# Allegro board C000PD020-3399PRO-DMEB-A-A01.brd (continued)
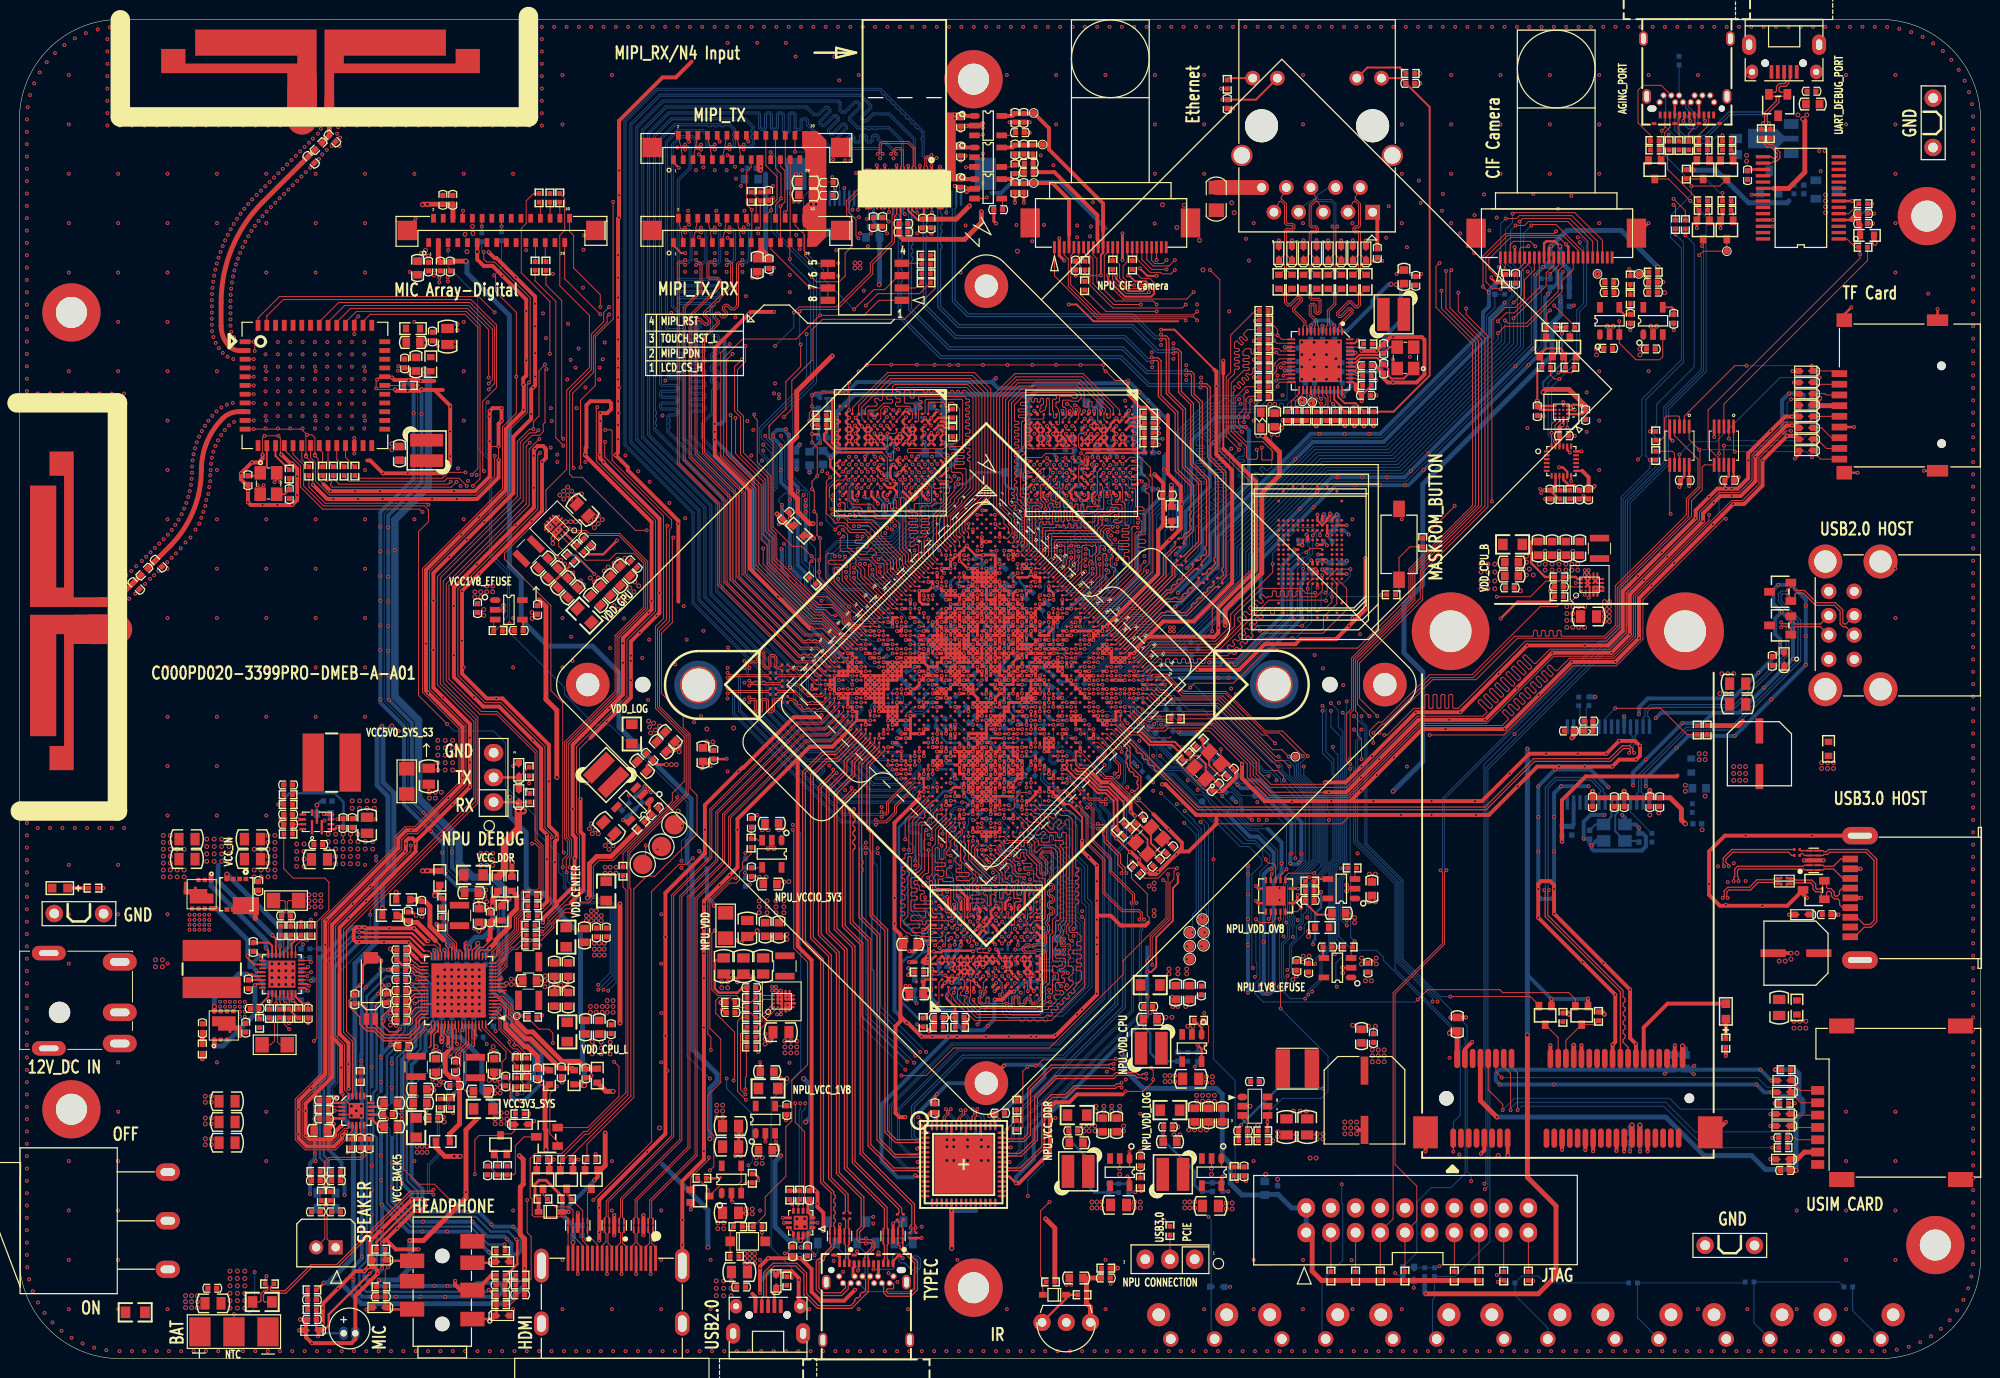
[diagram p0: board, top side]
## Nets (continued)
CIF_CLKOUTA: R1900.1 R1901.1 U1000.E34(SPI2_CLK/VOP_DEN/CIF_CLKOUTA/GP)
CIF_D0: J4700.19(Y2) U1000.D33(I2C2_SDA/VOP_D0/CIF_D0/GPIO2_A0)
CIF_D1: J4700.21(Y3) U1000.J27(I2C2_SCL/VOP_D1/CIF_D1/GPIO2_A1)
CIF_D2: J4700.22(Y4) U1000.F33(VOP_D2/CIF_D2/GPIO2_A2_D)
CIF_D3: J4700.20(Y5) U1000.E33(VOP_D3/CIF_D3/GPIO2_A3_D)
CIF_D4: J4700.18(Y6) U1000.G33(VOP_D4/CIF_D4/GPIO2_A4_D)
CIF_D5: J4700.16(Y7) U1000.G29(VOP_D5/CIF_D5/GPIO2_A5_D)
CIF_D6: J4700.14(Y8) U1000.H29(VOP_D6/CIF_D6/GPIO2_A6_D)
CIF_D7: J4700.12(Y9) U1000.G32(I2C7_SDA/VOP_D7/CIF_D7/GPIO2_A7)
CIF_HREF: J4700.9(HREF) U1000.G30(I2C6_SDA/SPI2_RXD/CIF_HREF/GPIO)
CIF_RST: C4702.1 J4700.6(RESET) R4702.2
CIF_VSYNC: J4700.7(VSYNC) U1000.H30(I2C7_SCL/VOP_CLK/CIF_VSYNC/GPIO)
CIFCAM_PWREN_H: U1000.AM1(SPDIF_TX/GPIO4_C5_D) U4700.3(EN) U4701.3(EN)
CLKOUT_32K: R1100.2 R1122.2 R2123.1 R6113.1
COMP_INT_H: U1000.AJ1(I2S0_SDO0/GPIO3_D7_D) U9001.A1(DRDY)
CPN: C2132.1 U?.36(CPN)
CPP: C2132.2 U?.37(CPP)
CPU_B_SLEEP_H: U1000.A39(SPI3_CLK/GPIO1_C1_D) U2200.A1(VSEL)
CPU_INT_NPU: R1125.2 U1000.C39(ISP0_PRELIGHT_TRIG/ISP1_PRELIGH)
CPU_RST_NPU: R1105.2 U1000.E40(ISP0_SHUTTER_EN/ISP1_SHUTTER_EN)
DDC_SCL: J8200.15 Q8200.3(DRAIN) R8202.2 U8200.2(IO2) U8200.9(NC_9)
DDC_SDA: J8200.16 Q8201.3(DRAIN) R8204.2 U8200.4(IO3) U8200.7(NC_7)
DDR0_A0: U1000.F2(DDR0_A0) U3601.R2(DDR_A0)
DDR0_A1: U1000.F1(DDR0_A1) U3601.P2(DDR_A1)
DDR0_A2: U1000.G1(DDR0_A2) U3601.N2(DDR_A2)
DDR0_A3: U1000.G2(DDR0_A3) U3601.N3(DDR_A3)
DDR0_A4: U1000.H2(DDR0_A4) U3601.M3(DDR_A4)
DDR0_A5: U1000.H1(DDR0_A5) U3601.F3(DDR_A5)
DDR0_A6: U1000.J1(DDR0_A6) U3601.E3(DDR_A6)
DDR0_A7: U1000.J2(DDR0_A7) U3601.E2(DDR_A7)
DDR0_A8: U1000.K2(DDR0_A8) U3601.D2(DDR_A8)
DDR0_A9: U1000.K1(DDR0_A9) U3601.C2(DDR_A9)
DDR0_CKE0: U1000.E1(DDR0_CKE0) U3601.K3(DDR_CKE0)
DDR0_CKE1: U1000.F5(DDR0_CKE1) U3601.K4(DDR_CKE1)
DDR0_CLK: U1000.H4(DDR0_CLK0P) U3601.J3(DDR_CLK)
DDR0_CLKN: U1000.J4(DDR0_CLK0N) U3601.J2(DDR_CLKN)
DDR0_CS0N: U1000.M6(DDR0_CSN0) U3601.L3(DDR_CS0)
DDR0_CS1N: U1000.B1(DDR0_CSN1) U3601.L4(DDR_CS1)
DDR0_D0: U1000.AB2(DDR0_DQ0) U3601.P9(DDR_D0)
DDR0_D1: U1000.AB1(DDR0_DQ1) U3601.N9(DDR_D1)
DDR0_D2: U1000.AA2(DDR0_DQ2) U3601.N10(DDR_D2)
DDR0_D3: U1000.AA1(DDR0_DQ3) U3601.N11(DDR_D3)
DDR0_D4: U1000.Y2(DDR0_DQ4) U3601.M8(DDR_D4)
DDR0_D5: U1000.Y1(DDR0_DQ5) U3601.M9(DDR_D5)
DDR0_D6: U1000.W1(DDR0_DQ6) U3601.M10(DDR_D6)
DDR0_D7: U1000.W2(DDR0_DQ7) U3601.M11(DDR_D7)
DDR0_D8: U1000.AF2(DDR0_DQ8) U3601.F11(DDR_D8)
DDR0_D9: U1000.AE2(DDR0_DQ9) U3601.F10(DDR_D9)
DDR0_D10: U1000.AF1(DDR0_DQ10) U3601.F9(DDR_D10)
DDR0_D11: U1000.AD2(DDR0_DQ11) U3601.F8(DDR_D11)
DDR0_D12: U1000.AE1(DDR0_DQ12) U3601.E11(DDR_D12)
DDR0_D13: U1000.AD1(DDR0_DQ13) U3601.E10(DDR_D13)
DDR0_D14: U1000.AC1(DDR0_DQ14) U3601.E9(DDR_D14)
DDR0_D15: U1000.AC2(DDR0_DQ15) U3601.D9(DDR_D15)
DDR0_D16: U1000.V1(DDR0_DQ16) U3601.T8(DDR_D16/NC)
DDR0_D17: U1000.V2(DDR0_DQ17) U3601.T9(DDR_D17/NC)
DDR0_D18: U1000.U1(DDR0_DQ18) U3601.T10(DDR_D18/NC)
DDR0_D19: U1000.U2(DDR0_DQ19) U3601.T11(DDR_D19/NC)
DDR0_D20: U1000.T1(DDR0_DQ20) U3601.R8(DDR_D20/NC)
DDR0_D21: U1000.T2(DDR0_DQ21) U3601.R9(DDR_D21/NC)
DDR0_D22: U1000.R2(DDR0_DQ22) U3601.R10(DDR_D22/NC)
DDR0_D23: U1000.R1(DDR0_DQ23) U3601.R11(DDR_D23/NC)
DDR0_D24: U1000.P1(DDR0_DQ24) U3601.C11(DDR_D24/NC)
DDR0_D25: U1000.P2(DDR0_DQ25) U3601.C10(DDR_D25/NC)
DDR0_D26: U1000.N1(DDR0_DQ26) U3601.C9(DDR_D26/NC)
DDR0_D27: U1000.M1(DDR0_DQ27) U3601.C8(DDR_D27/NC)
DDR0_D28: U1000.N2(DDR0_DQ28) U3601.B11(DDR_D28/NC)
DDR0_D29: U1000.L1(DDR0_DQ29) U3601.B10(DDR_D29/NC)
DDR0_D30: U1000.M2(DDR0_DQ30) U3601.B9(DDR_D30/NC)
DDR0_D31: U1000.L2(DDR0_DQ31) U3601.B8(DDR_D31/NC)
DDR0_DM0: U1000.Y5(DDR0_DM0) U3601.L8(DDR_DM0)
DDR0_DM1: U1000.AC5(DDR0_DM1) U3601.G8(DDR_DM1)
DDR0_DM2: U1000.U5(DDR0_DM2) U3601.P8(DDR_DM2/NC)
DDR0_DM3: U1000.P5(DDR0_DM3) U3601.D8(DDR_DM3/NC)
DDR0_DQS0M: U1000.AA4(DDR0_DQS0N) U3601.L11(DDR_DQS0N)
DDR0_DQS0P: U1000.Y4(DDR0_DQS0P) U3601.L10(DDR_DQS0)
DDR0_DQS1M: U1000.AD4(DDR0_DQS1N) U3601.G11(DDR_DQS1N)
DDR0_DQS1P: U1000.AC4(DDR0_DQS1P) U3601.G10(DDR_DQS1)
DDR0_DQS2M: U1000.V4(DDR0_DQS2N) U3601.P11(DDR_DQS2N)
DDR0_DQS2P: U1000.U4(DDR0_DQS2P) U3601.P10(DDR_DQS2)
DDR0_DQS3M: U1000.R4(DDR0_DQS3N) U3601.D11(DDR_DQS3N)
DDR0_DQS3P: U1000.P4(DDR0_DQS3P) U3601.D10(DDR_DQS3)
DDR0_ODT0: U1000.L4(DDR0_ODT0) U3601.J8(DDR_ODT)
DDR1_A0: U1000.B10(DDR1_A0) U3600.R2(DDR_A0)
DDR1_A1: U1000.A10(DDR1_A1) U3600.P2(DDR_A1)
DDR1_A2: U1000.B9(DDR1_A2) U3600.N2(DDR_A2)
DDR1_A3: U1000.A9(DDR1_A3) U3600.N3(DDR_A3)
DDR1_A4: U1000.B8(DDR1_A4) U3600.M3(DDR_A4)
DDR1_A5: U1000.A8(DDR1_A5) U3600.F3(DDR_A5)
DDR1_A6: U1000.B7(DDR1_A6) U3600.E3(DDR_A6)
DDR1_A7: U1000.A7(DDR1_A7) U3600.E2(DDR_A7)
DDR1_A8: U1000.B6(DDR1_A8) U3600.D2(DDR_A8)
DDR1_A9: U1000.A6(DDR1_A9) U3600.C2(DDR_A9)
DDR1_CKE0: U1000.A5(DDR1_CKE0) U3600.K3(DDR_CKE0)
DDR1_CKE1: U1000.E6(DDR1_CKE1) U3600.K4(DDR_CKE1)
DDR1_CLK: U1000.D9(DDR1_CLK0P) U3600.J3(DDR_CLK)
DDR1_CLKN: U1000.D8(DDR1_CLK0N) U3600.J2(DDR_CLKN)
DDR1_CS0N: U1000.F12(DDR1_CSN0) U3600.L3(DDR_CS0)
DDR1_CS1N: U1000.A2(DDR1_CSN1) U3600.L4(DDR_CS1)
DDR1_D0: U1000.B15(DDR1_DQ0) U3600.P9(DDR_D0)
DDR1_D1: U1000.A15(DDR1_DQ1) U3600.N9(DDR_D1)
DDR1_D2: U1000.B16(DDR1_DQ2) U3600.N10(DDR_D2)
DDR1_D3: U1000.A16(DDR1_DQ3) U3600.N11(DDR_D3)
DDR1_D4: U1000.B17(DDR1_DQ4) U3600.M8(DDR_D4)
DDR1_D5: U1000.A17(DDR1_DQ5) U3600.M9(DDR_D5)
DDR1_D6: U1000.A18(DDR1_DQ6) U3600.M10(DDR_D6)
DDR1_D7: U1000.B18(DDR1_DQ7) U3600.M11(DDR_D7)
DDR1_D8: U1000.B11(DDR1_DQ8) U3600.F11(DDR_D8)
DDR1_D9: U1000.B12(DDR1_DQ9) U3600.F10(DDR_D9)
DDR1_D10: U1000.A11(DDR1_DQ10) U3600.F9(DDR_D10)
DDR1_D11: U1000.B13(DDR1_DQ11) U3600.F8(DDR_D11)
DDR1_D12: U1000.A12(DDR1_DQ12) U3600.E11(DDR_D12)
DDR1_D13: U1000.A13(DDR1_DQ13) U3600.E10(DDR_D13)
DDR1_D14: U1000.A14(DDR1_DQ14) U3600.E9(DDR_D14)
DDR1_D15: U1000.B14(DDR1_DQ15) U3600.D9(DDR_D15)
DDR1_D16: U1000.A19(DDR1_DQ16) U3600.T8(DDR_D16/NC)
DDR1_D17: U1000.B19(DDR1_DQ17) U3600.T9(DDR_D17/NC)
DDR1_D18: U1000.A20(DDR1_DQ18) U3600.T10(DDR_D18/NC)
DDR1_D19: U1000.B20(DDR1_DQ19) U3600.T11(DDR_D19/NC)
DDR1_D20: U1000.A21(DDR1_DQ20) U3600.R8(DDR_D20/NC)
DDR1_D21: U1000.B21(DDR1_DQ21) U3600.R9(DDR_D21/NC)
DDR1_D22: U1000.B22(DDR1_DQ22) U3600.R10(DDR_D22/NC)
DDR1_D23: U1000.A22(DDR1_DQ23) U3600.R11(DDR_D23/NC)
DDR1_D24: U1000.A23(DDR1_DQ24) U3600.C11(DDR_D24/NC)
DDR1_D25: U1000.B23(DDR1_DQ25) U3600.C10(DDR_D25/NC)
DDR1_D26: U1000.A24(DDR1_DQ26) U3600.C9(DDR_D26/NC)
DDR1_D27: U1000.A25(DDR1_DQ27) U3600.C8(DDR_D27/NC)
DDR1_D28: U1000.B24(DDR1_DQ28) U3600.B11(DDR_D28/NC)
DDR1_D29: U1000.A26(DDR1_DQ29) U3600.B10(DDR_D29/NC)
DDR1_D30: U1000.B25(DDR1_DQ30) U3600.B9(DDR_D30/NC)
DDR1_D31: U1000.B26(DDR1_DQ31) U3600.B8(DDR_D31/NC)
DDR1_DM0: U1000.E17(DDR1_DM0) U3600.L8(DDR_DM0)
DDR1_DM1: U1000.E14(DDR1_DM1) U3600.G8(DDR_DM1)
DDR1_DM2: U1000.E20(DDR1_DM2) U3600.P8(DDR_DM2/NC)
DDR1_DM3: U1000.E23(DDR1_DM3) U3600.D8(DDR_DM3/NC)
DDR1_DQS0M: U1000.D17(DDR1_DQS0N) U3600.L11(DDR_DQS0N)
DDR1_DQS0P: U1000.D18(DDR1_DQS0P) U3600.L10(DDR_DQS0)
DDR1_DQS1M: U1000.D14(DDR1_DQS1N) U3600.G11(DDR_DQS1N)
DDR1_DQS1P: U1000.D15(DDR1_DQS1P) U3600.G10(DDR_DQS1)
DDR1_DQS2M: U1000.D20(DDR1_DQS2N) U3600.P11(DDR_DQS2N)
DDR1_DQS2P: U1000.D21(DDR1_DQS2P) U3600.P10(DDR_DQS2)
DDR1_DQS3M: U1000.D23(DDR1_DQS3N) U3600.D11(DDR_DQS3N)
DDR1_DQS3P: U1000.D24(DDR1_DQS3P) U3600.D10(DDR_DQS3)
DDR1_ODT0: U1000.D11(DDR1_ODT0) U3600.J8(DDR_ODT)
DEBUG_DM: J9701.2(DM) J9702.A7(DM1) J9702.B7(DM2) R9708.2 U9701.1
DEBUG_DP: J9701.3(DP) J9702.A6(DP1) J9702.B6(DP2) R9709.2 U9701.2
DVP_DOVDD: C4705.1 J4700.11(DOVDD) R4702.1 R4703.2
DVP_DVDD: C4710.1 C4711.1 J4700.10(DVDD) R4704.2
DVP_PDN0_H: J4700.8(PWDN0) U1000.E32(SPI2_CSN0/GPIO2_B4_U)
DVP_PDN1_H: R4705.1 U1000.AM5(GPIO4_D4_D)
DVP_PDN1_H_1V8: J4700.1(PWDN1) R4705.2 R4706.1
EDP_AUXN: C5001.2 J5000.8(EDP_AUXN)
EDP_AUXP: C5000.2 J5000.9(EDP_AUXP)
EDP_TX0N: C1706.2 J5000.2(EDP_TX0N)
EDP_TX0P: C1705.2 J5000.3(EDP_TX0P)
EDP_TX1N: C1708.2 J5000.5(EDP_TX1N)
EDP_TX1P: C1707.2 J5000.6(EDP_TX1P)
EDP_TX2N: C1710.2 J5000.11(EDP_TX2N)
EDP_TX2P: C1709.2 J5000.12(EDP_TX2P)
EDP_TX3N: C1712.2 J5000.14(EDP_TX3N)
EDP_TX3P: C1711.2 J5000.15(EDP_TX3P)
EDPAUXN: C5001.1 U1000.B28(EDP_AUXN)
EDPAUXP: C5000.1 U1000.A28(EDP_AUXP)
EDPTX0N: C1706.1 U1000.B29(EDP_TX0N)
EDPTX0P: C1705.1 U1000.A29(EDP_TX0P)
EDPTX1N: C1708.1 U1000.B30(EDP_TX1N)
EDPTX1P: C1707.1 U1000.A30(EDP_TX1P)
EDPTX2N: C1710.1 U1000.B31(EDP_TX2N)
EDPTX2P: C1709.1 U1000.A31(EDP_TX2P)
EDPTX3N: C1712.1 U1000.B32(EDP_TX3N)
EDPTX3P: C1711.1 U1000.A32(EDP_TX3P)
EFUSE_VQPS_EN_H: R9600.1 U1000.AM4(EFUSE_VQPS/GPIO4_D3_D) U9600.3(EN)
EMMC_CLKO: R4100.2 U4100.W6(CLK)
EMMC_CMD: U1000.A34(EMMC_CMD) U4100.W5(CMD)
EMMC_D0: R4102.1 U1000.A36(EMMC_D0) U4100.H3(DATA0)
EMMC_D1: U1000.B34(EMMC_D1) U4100.H4(DATA1)
EMMC_D2: U1000.A35(EMMC_D2) U4100.H5(DATA2)
EMMC_D3: U1000.A37(EMMC_D3) U4100.J2(DATA3)
EMMC_D4: U1000.C35(EMMC_D4) U4100.J3(DATA4)
EMMC_D5: U1000.B35(EMMC_D5) U4100.J4(DATA5)
EMMC_D6: U1000.B37(EMMC_D6) U4100.J5(DATA6)
EMMC_D7: U1000.B36(EMMC_D7) U4100.J6(DATA7)
EMMC_STRB: U1000.D35(EMMC_STRB) U4100.R5(RCLK)
ENSWREG: R6528.2 U6500.38(ENSWREG)
EXT_EN_H: R2002.1 TP2101.1 U?.60(EXT_EN)
GPIO1_C3_RESERVE: R1126.2 U1000.H33(PWM2/GPIO1_C3_D)
GPU_SLEEP_H: U1000.B38(PWM3B_IR/GPIO1_B6_D) U2201.A1(VSEL)
GSENSOR_INT_L: U1000.AJ2(I2S0_LRCK_TX/GPIO3_D2_D) U9000.12(INT)
HD3SS215_AUX_SEL: R9826.2 R9827.2 U2102.1(AUX_SEL) U9705.1(AUX_SEL)
HD3SS215_DX_SEL: R9828.2 U2102.56(DX_SEL) U9705.56(DX_SEL)
HDMI_CEC: Q8202.2(SOURCE) R8205.2 U1000.AD7(HDMI_CECINOUT/EDP_HOTPLUG/GPIO4)
HDMI_HPD: R1701.1 U1000.AE15(HDMI_HPD)
HDMI_TX0N: J8200.9 U1000.AY7(HDMI_TX0N) U8202.2(IO2) U8202.9(NC_9)
HDMI_TX0P: J8200.7 U1000.AW7(HDMI_TX0P) U8202.1(IO1) U8202.10(NC_10)
HDMI_TX1N: J8200.6 U1000.AY8(HDMI_TX1N) U8201.5(IO4) U8201.6(NC_6)
HDMI_TX1P: J8200.4 U1000.AW8(HDMI_TX1P) U8201.4(IO3) U8201.7(NC_7)
HDMI_TX2N: J8200.3 U1000.AY9(HDMI_TX2N) U8201.2(IO2) U8201.9(NC_9)
HDMI_TX2P: J8200.1($PIN0) U1000.AW9(HDMI_TX2P) U8201.1(IO1) U8201.10(NC_10)
HDMI_TXCN: J8200.12 U1000.AY6(HDMI_TCN) U8202.5(IO4) U8202.6(NC_6)
HDMI_TXCP: J8200.10 U1000.AW6(HDMI_TCP) U8202.4(IO3) U8202.7(NC_7)
HOST1_DM: U1000.L40(USB20_HOST1_DN) U2800.25(DM0)
HOST1_DP: U1000.L39(USB20_HOST1_DP) U2800.26(DP0)
HP_SNS: R7006.1 U?.40(HP_SNS)
HPL: R7005.1 U?.39(HPL_OUT)
HPR: R7004.1 U?.41(HPR_OUT)
HUB0_OVCUR1#: R2807.2 R2808.1 U2800.21(OVCUR1#)
HUB0_X1: C2814.1 U2800.6(X1) Y2800.1(X1)
HUB0_X2: C2815.1 U2800.7(X2) Y2800.3(X2)
HUB_HOST1_DM: ED2801.1 J2800.A2(D-_A) U2800.27(DM1)
HUB_HOST1_DP: ED2801.2 J2800.A3(D+_A) U2800.28(DP1)
HUB_HOST2_DM: ED2800.1 J2800.B2(D-_B) U2800.2(DM2)
HUB_HOST2_DP: ED2800.2 J2800.B3(D+_B) U2800.3(DP2)
HUB_HOST3_DM: J8300.36(USB_D-) U2800.8(DM3)
HUB_HOST3_DP: J8300.38(USB_D+) U2800.9(DP3)
HUB_RESET_L: C2803.1 R2802.2 U2800.13(RESET#)
I2C0_SCL_PMIC: R2120.2 U1000.K33(SPI3_TXD/I2C0_SCL/GPIO1_C0_U) U2003.13(SCL) U2200.A3(SCL) U2201.A3(SCL) U?.1(SCL)
I2C0_SDA_PMIC: R2119.2 U1000.J34(SPI3_RXD/I2C0_SDA/GPIO1_B7_U) U2003.12(SDA) U2200.B1(SDA) U2201.B1(SDA) U?.2(SDA)
I2C1_SCL_1V8: J4600.20(SIO_C) J4700.5(SIO_C) Q9404.2(SOURCE) R9427.2 U1000.Y6(I2C1_SCL/GPIO4_A2_U) U7500.19(CCLK) U9000.23(SCL/SCLK) U9001.A3(SCL/SK)
I2C1_SCL_3V3: J7500.30 Q9404.3(DRAIN) R9428.2
I2C1_SDA_1V8: J4600.21(SIO_D) J4700.3(SIO_D) Q9405.2(SOURCE) R9429.2 U1000.AG1(I2C1_SDA/GPIO4_A1_U) U7500.18(CDATA) U9000.24(SDA/SDI) U9001.A4(SDA/SI)
I2C1_SDA_3V3: J7500.29 Q9405.3(DRAIN) R9430.2
I2C3_SCL_HDMI: Q8200.2(SOURCE) R8201.2 U1000.AK2(I2C3_SCL/UART2B_TX/GPIO4_C1_U)
I2C3_SDA_HDMI: Q8201.2(SOURCE) R8203.2 U1000.AF6(I2C3_SDA/UART2B_RX/GPIO4_C0_U)
I2C4_SCL_TP: J5000.23(TP_SCL) J5100.23(TP_SCL) J5101.23(TP_SCL) R1121.1 U1000.G35(I2C4_SCL/GPIO1_B4_U)
I2C4_SDA_TP: J5000.24(TP_SDA) J5100.24(TP_SDA) J5101.24(TP_SDA) R1120.1 U1000.F36(I2C4_SDA/GPIO1_B3_U)
I2C8_SCL_CC: R2601.2 U1000.H32(I2C8_SCL/GPIO1_C5_U) U2600.6(SCL)
I2C8_SDA_CC: R2602.2 U1000.J33(I2C8_SDA/GPIO1_C4_U) U2600.7(SDA)
I2S0_LRCK_RX: R7501.2 U1000.AK1(I2S0_LRCK_RX/GPIO3_D1_D) U7500.7(LRCK)
I2S0_SCLK: R7500.2 U1000.AG3(I2S0_SCLK/GPIO3_D0_D) U7500.6(SCLK)
I2S0_SDI0: R7502.2 U1000.Y7(I2S0_SDI0/GPIO3_D3_D)
I2S0_SDI1: R7503.2 U1000.AL1(I2S0_SDI1SDO3/GPIO3_D4_D)
I2S0_SDI2: R7504.2 U1000.AA6(I2S0_SDI2SDO2/GPIO3_D5_D)
I2S0_SDI3_SPKLOOP: U1000.AH2(I2S0_SDI3SDO1/GPIO3_D6_D) U7500.3(SDOUT)
I2S1_LRCK: R1504.2 R2127.2 U1000.AA7(I2S1_LRCK_RX/GPIO4_A4_D)
I2S1_SCLK: R2126.2 U1000.AF3(I2S1_SCLK/GPIO4_A3_D)
I2S1_SDI: R2131.2 U1000.AD6(I2S1_SDI0/GPIO4_A6_D)
I2S1_SDO: R2130.2 U1000.AC6(I2S1_SDO0/GPIO4_A7_D)
I2S_CLK: R2125.2 U1000.AC7(I2S_CLK/GPIO4_A0_D) U7500.20(MCLK)
IR_RX: D9000.1(A) R9020.2 U1000.H36(PWM3A_IR/GPIO0_A6_D)
JTAG_TCK: J9710.9(TCK) R9715.2 R9731.2 R9736.1
JTAG_TCK_PORT: J9702.B10(SSRX1_N) R9736.2
JTAG_TMS: J9710.7(TMS) R9717.2 R9730.2 R9737.1
JTAG_TMS_PORT: J9702.B11(SSRX1_P) R9737.2
LCD_BL_EN_H: J5000.22(BL_EN) J5100.22(BL_EN) J5101.22(BL_EN) U1000.D38(GPIO1_B5_D)
LCD_BL_PWM: J5000.17(LCD_PWM_IN) J5100.17(LCD_BL) J5101.17(LCDC_BL) U1000.AF5(PWM0/VOP0_PWM/VOP1_PWM/GPIO4_C2)
LCD_CS/MIPI_PDN: J5101.21(LCD_CS/MIPI_PDN) S5100.7(B2) S5100.8(B1)
LCD_CS_H: J5100.21(LCD_CS) S5100.1(A1) U1000.AL2(GPIO4_D5_D)
LCD_PWREN_H: J5000.20(LCD_CS) J5100.20(LCD_EN) J5101.20(LCD_EN) U1000.AF4(GPIO4_D6_D)
LED0_AD0: C6504.1 J6500.13(Y-) R6515.1 R6516.2 U6500.34(LED0/PHYAD0)
LED1_AD1: C6505.1 J6500.11(G+) R6513.1 R6514.2 U6500.35(LED1/PHYAD1)
LED2_RXDLY: R6522.1 R6523.2 U6500.32(LED2_RXDLY)
MAC_CLK: R6510.1 U1000.G24(MAC_CLK/I2C5_SCL/GPIO3_B3_U)
MAC_MDC: U1000.F30(MAC_MDC/SPI0_CSN1/GPIO3_B0_U) U6500.30(MDC)
MAC_MDIO: R6534.2 TP1801.1 U1000.G26(MAC_MDIO/UART1_TX/GPIO3_B5_U) U6500.31(MDIO)
MAC_RXCLK: R6539.2 U1000.F26(MAC_RXCLK/UART3_RX/GPIO3_B6_U)
MAC_RXD0: R6535.2 U1000.F27(MAC_RXD0/SPI0_CLK/GPIO3_A6_U)
MAC_RXD1: R6536.2 U1000.H27(MAC_RXD1/SPI0_CSN0/GPIO3_A7_U)
MAC_RXD2: R6537.2 U1000.F29(MAC_RXD2/SPI4_CLK/GPIO3_A2_U)
MAC_RXD3: R6538.2 U1000.E26(MAC_RXD3/SPI4_CSN0/GPIO3_A3_U)
MAC_RXDV: R6540.2 U1000.E27(MAC_RXDV/GPIO3_B1_D)
MASKROM: Q9704.3(DRAIN) R4103.2
MDI0+: R6507.1 U6500.1(MDI[0]+)
MDI0-: R6506.1 U6500.2(MDI[0]-)
MDI1+: R6505.1 U6500.4(MDI[1]+)
MDI1-: R6504.1 U6500.5(MDI[1]-)
MDI2+: R6503.1 U6500.7(MDI[2]+)
MDI2-: R6502.1 U6500.8(MDI[2]-)
MDI3+: R6501.1 U6500.10(MDI[3]+)
MDI3-: R6500.1 U6500.11(MDI[3]-)
MDI_0+: D6500.1 J6500.2(MDI0+) R6507.2
MDI_0-: D6501.1 J6500.3(MDI0-) R6506.2
MDI_1+: D6502.1 J6500.4(MDI1+) R6505.2
MDI_1-: D6503.1 J6500.7(MDI1-) R6504.2
MDI_2+: D6504.1 J6500.5(MDI2+) R6503.2
MDI_2-: D6505.1 J6500.6(MDI2-) R6502.2
MDI_3+: D6506.1 J6500.8(MDI3+) R6501.2
MDI_3-: D6507.1 J6500.9(MDI3-) R6500.2
MIC1_IN: C2140.1 C7005.1 ED7004.1 MIC7000.1 R7008.2
MIC2_IN: C2141.1 ED7003.1 J7000.1 R7001.1 R7010.2
MIC_LED_EN_H: J7500.28 R1225.2
MIPI_CLKO: R1901.2 R4600.1 R4601.1
MIPI_MCLK0: C4600.1 J4600.11(MCLK) R4600.2
MIPI_MCLK_T2: J5101.18(MIPI_MCLK) R4601.2
MIPI_PDN: R5102.2 R5103.2 S5100.2(A2)
MIPI_PDN_H: R5102.1 U1000.AK4(DP_HOTPLUG/GPIO4_D1_D)
MIPI_RST: R5104.2 R5105.2 S5100.4(A4)
MIPI_RST_L: R5104.1 U1000.AG4(GPIO4_D2_D)
MIPI_RX0_CLKN: R9821.1 U1000.AY3(MIPI_RX0_CLKN)
MIPI_RX0_CLKP: R9820.1 U1000.AW3(MIPI_RX0_CLKP)
MIPI_RX0_D0N: R9813.1 U1000.AY5(MIPI_RX0_D0N)
MIPI_RX0_D0P: R9812.1 U1000.AW5(MIPI_RX0_D0P)
MIPI_RX0_D1N: R9815.1 U1000.AY4(MIPI_RX0_D1N)
MIPI_RX0_D1P: R9814.1 U1000.AW4(MIPI_RX0_D1P)
MIPI_RX0_D2N: R9817.1 U1000.AW1(MIPI_RX0_D2N)
MIPI_RX0_D2P: R9816.1 U1000.AW2(MIPI_RX0_D2P)
MIPI_RX0_D3N: R9819.1 U1000.AV1(MIPI_RX0_D3N)
MIPI_RX0_D3P: R9818.1 U1000.AV2(MIPI_RX0_D3P)
MIPI_TX0_CLKN: J5100.8(MIPI_TX_CLKN) U1000.AU5(MIPI_TX0_CLKN)
MIPI_TX0_CLKP: J5100.9(MIPI_TX_CLKP) U1000.AT6(MIPI_TX0_CLKP)
MIPI_TX0_D0N: J5100.14(MIPI_TX_D0N) U1000.AU9(MIPI_TX0_D0N)
MIPI_TX0_D0P: J5100.15(MIPI_TX_D0P) U1000.AT9(MIPI_TX0_D0P)
MIPI_TX0_D1N: J5100.11(MIPI_TX_D1N) U1000.AU8(MIPI_TX0_D1N)
MIPI_TX0_D1P: J5100.12(MIPI_TX_D1P) U1000.AT8(MIPI_TX0_D1P)
MIPI_TX0_D2N: J5100.5(MIPI_TX_D2N) U1000.AR5(MIPI_TX0_D2N)
MIPI_TX0_D2P: J5100.6(MIPI_TX_D2P) U1000.AT4(MIPI_TX0_D2P)
MIPI_TX0_D3N: J5100.2(MIPI_TX_D3N) U1000.AP5(MIPI_TX0_D3N)
MIPI_TX0_D3P: J5100.3(MIPI_TX_D3P) U1000.AP6(MIPI_TX0_D3P)
MIPI_TX1/RX1_CLKN: J5101.8(MIPI_CLKN) U1000.AR1(MIPI_TX1/RX1_CLKN)
MIPI_TX1/RX1_CLKP: J5101.9(MIPI_CLKP) U1000.AR2(MIPI_TX1/RX1_CLKP)
MIPI_TX1/RX1_D0N: J5101.14(MIPI_D0N) U1000.AN1(MIPI_TX1/RX1_D0N)
MIPI_TX1/RX1_D0P: J5101.15(MIPI_D0P) U1000.AN2(MIPI_TX1/RX1_D0P)
MIPI_TX1/RX1_D1N: J5101.11(MIPI_D1N) U1000.AP1(MIPI_TX1/RX1_D1N)
MIPI_TX1/RX1_D1P: J5101.12(MIPI_D1P) U1000.AP2(MIPI_TX1/RX1_D1P)
MIPI_TX1/RX1_D2N: J5101.5(MIPI_D2N) U1000.AT1(MIPI_TX1/RX1_D2N)
MIPI_TX1/RX1_D2P: J5101.6(MIPI_D2P) U1000.AT2(MIPI_TX1/RX1_D2P)
MIPI_TX1/RX1_D3N: J5101.2(MIPI_D3N) U1000.AU1(MIPI_TX1/RX1_D3N)
MIPI_TX1/RX1_D3P: J5101.3(MIPI_D3P) U1000.AU2(MIPI_TX1/RX1_D3P)
MPU_AD0: R9004.1 R9005.2 U9000.9(SDO/AD0)
N4_PDN/PWREN: J4600.14(PWDN) U1000.AJ3(PCIE_CLKREQNB/GPIO4_D0_U)
N4_RST_1V8: J4600.12(RESET) U1000.J37(GPIO0_B4_D)
NPU_CIF_CLKI: J4800.17(PCLK) R4800.2
NPU_CIF_CLKIN: R4800.1 U1000.W29(NPU_CIF_CLKIN_D)
NPU_CIF_CLKO: J4800.13(XCLK1) R4801.2
NPU_CIF_CLKOUT: R4801.1 U1000.U28(NPU_CIF_CLKOUT_D)
NPU_CIF_D2: J4800.19(Y2) U1000.W30(NPU_CIF_D2_D)
NPU_CIF_D3: J4800.21(Y3) U1000.V30(NPU_CIF_D3_D)
NPU_CIF_D4: J4800.22(Y4) U1000.P29(NPU_CIF_D4_D)
NPU_CIF_D5: J4800.20(Y5) U1000.Y30(NPU_CIF_D5_D)
NPU_CIF_D6: J4800.18(Y6) U1000.AB29(NPU_CIF_D6_D)
NPU_CIF_D7: J4800.16(Y7) U1000.P28(NPU_CIF_D7_D)
NPU_CIF_D8: J4800.14(Y8) U1000.R29(NPU_CIF_D8_D)
NPU_CIF_D9: J4800.12(Y9) U1000.AD29(NPU_CIF_D9_D)
NPU_CIF_DVDD: C4810.1 C4811.1 J4800.10(DVDD) R4804.2
NPU_CIF_HREF: J4800.9(HREF) U1000.U29(NPU_CIF_HREF_D)
NPU_CIF_PDN0: J4800.8(PWDN0) U1000.R28(NPU_CIF_D0_D)
NPU_CIF_PDN1: J4800.1(PWDN1) U1000.AC28(NPU_CIF_D1_D)
NPU_CIF_PWREN_H: U1000.AD28(NPU_CIF_D11_D) U4800.3(EN) U4801.3(EN) U4817.3(EN)
NPU_CIF_RST: R4811.2 U1000.V28(NPU_CIF_D10_D)
NPU_CIF_RST_L: C4802.1 J4800.6(RESET) R4802.2 R4811.1
NPU_CIF_VSYNC: J4800.7(VSYNC) U1000.AC29(NPU_CIF_VSYNC_D)
NPU_DDR_D0: U1000.AY38(NPU_DDR_DQ0) U3100.P9(DDR_D0)
NPU_DDR_D1: U1000.AW38(NPU_DDR_DQ1) U3100.N9(DDR_D1)
NPU_DDR_D2: U1000.AW37(NPU_DDR_DQ2) U3100.N10(DDR_D2)
NPU_DDR_D3: U1000.AY37(NPU_DDR_DQ3) U3100.N11(DDR_D3)
NPU_DDR_D4: U1000.AW36(NPU_DDR_DQ4) U3100.M8(DDR_D4)
NPU_DDR_D5: U1000.AY36(NPU_DDR_DQ5) U3100.M9(DDR_D5)
NPU_DDR_D6: U1000.AW35(NPU_DDR_DQ6) U3100.M10(DDR_D6)
NPU_DDR_D7: U1000.AY35(NPU_DDR_DQ7) U3100.M11(DDR_D7)
NPU_DDR_D8: U1000.AN37(NPU_DDR_DQ8) U3100.T10(DDR_D18/NC)
NPU_DDR_D9: U1000.AM36(NPU_DDR_DQ9) U3100.T8(DDR_D16/NC)
NPU_DDR_D10: U1000.AU40(NPU_DDR_DQ10) U3100.T9(DDR_D17/NC)
NPU_DDR_D11: U1000.AU39(NPU_DDR_DQ11) U3100.T11(DDR_D19/NC)
NPU_DDR_D12: U1000.AV39(NPU_DDR_DQ12) U3100.R8(DDR_D20/NC)
NPU_DDR_D13: U1000.AV40(NPU_DDR_DQ13) U3100.R9(DDR_D21/NC)
NPU_DDR_D14: U1000.AW40(NPU_DDR_DQ14) U3100.R11(DDR_D23/NC)
NPU_DDR_D15: U1000.AY39(NPU_DDR_DQ15) U3100.R10(DDR_D22/NC)
NPU_DDR_D16: U1000.AW33(NPU_DDR_DQ16) U3100.F10(DDR_D9)
NPU_DDR_D17: U1000.AW34(NPU_DDR_DQ17) U3100.F11(DDR_D8)
NPU_DDR_D18: U1000.AY34(NPU_DDR_DQ18) U3100.E11(DDR_D12)
NPU_DDR_D19: U1000.AY33(NPU_DDR_DQ19) U3100.F8(DDR_D11)
NPU_DDR_D20: U1000.AY32(NPU_DDR_DQ20) U3100.F9(DDR_D10)
NPU_DDR_D21: U1000.AW32(NPU_DDR_DQ21) U3100.E10(DDR_D13)
NPU_DDR_D22: U1000.AY31(NPU_DDR_DQ22) U3100.D9(DDR_D15)
NPU_DDR_D23: U1000.AW31(NPU_DDR_DQ23) U3100.E9(DDR_D14)
NPU_DDR_D24: U1000.AW29(NPU_DDR_DQ24) U3100.B11(DDR_D28/NC)
NPU_DDR_D25: U1000.AW30(NPU_DDR_DQ25) U3100.C11(DDR_D24/NC)
NPU_DDR_D26: U1000.AY30(NPU_DDR_DQ26) U3100.C10(DDR_D25/NC)
NPU_DDR_D27: U1000.AY29(NPU_DDR_DQ27) U3100.B10(DDR_D29/NC)
NPU_DDR_D28: U1000.AW28(NPU_DDR_DQ28) U3100.B9(DDR_D30/NC)
NPU_DDR_D29: U1000.AY28(NPU_DDR_DQ29) U3100.C8(DDR_D27/NC)
NPU_DDR_D30: U1000.AW27(NPU_DDR_DQ30) U3100.C9(DDR_D26/NC)
NPU_DDR_D31: U1000.AY27(NPU_DDR_DQ31) U3100.B8(DDR_D31/NC)
NPU_DDR_DM0: U1000.AR36(NPU_DDR_DM0) U3100.L8(DDR_DM0)
NPU_DDR_DM1: U1000.AN36(NPU_DDR_DM1) U3100.P8(DDR_DM2/NC)
NPU_DDR_DM2: U1000.AT34(NPU_DDR_DM2) U3100.G8(DDR_DM1)
NPU_DDR_DM3: U1000.AT32(NPU_DDR_DM3) U3100.D8(DDR_DM3/NC)
NPU_DDR_DQS0N: U1000.AU35(NPU_DDR_DQS0N) U3100.L11(DDR_DQS0N)
NPU_DDR_DQS0P: U1000.AU36(NPU_DDR_DQS0P) U3100.L10(DDR_DQS0)
NPU_DDR_DQS1N: U1000.AR37(NPU_DDR_DQS1N) U3100.P11(DDR_DQS2N)
NPU_DDR_DQS1P: U1000.AT37(NPU_DDR_DQS1P) U3100.P10(DDR_DQS2)
NPU_DDR_DQS2N: U1000.AU32(NPU_DDR_DQS2N) U3100.G11(DDR_DQS1N)
NPU_DDR_DQS2P: U1000.AU33(NPU_DDR_DQS2P) U3100.G10(DDR_DQS1)
NPU_DDR_DQS3N: U1000.AU30(NPU_DDR_DQS3N) U3100.D11(DDR_DQS3N)
NPU_DDR_DQS3P: U1000.AU29(NPU_DDR_DQS3P) U3100.D10(DDR_DQS3)
NPU_DFTJTAG_TCK: TP9702.1 U1000.T33(DNU_45)
NPU_DFTJTAG_TDI: TP9704.1 U1000.Y32(DNU_46)
NPU_DFTJTAG_TDO: TP9703.1 U1000.AA32(DNU_47)
NPU_DFTJTAG_TMS: TP9701.1 U1000.R30(DNU_20)
NPU_DFTJTAG_TRSTN: TP9700.1 U1000.U34(DNU_21)
NPU_EFUSE_EN_H: R9601.1 U1000.U30(NPU_GPIO0_A2_D) U9601.3(EN)
NPU_GPIO0_B0: R1125.1 U1000.V32(NPU_GPIO0_B0_U)
NPU_GPIO0_C7: R1126.1 U1000.AA33(NPU_GPIO0_C7_D)
NPU_I2C1_SCL: R1130.1 R2255.1 U1000.AD33(NPU_I2C1_SCL_D)
NPU_I2C1_SDA: R1131.1 R2254.1 U1000.P33(NPU_I2C1_SDA_D)
NPU_I2C3_SCL: J4800.5(SIO_C) R9822.1 U1000.AF27(NPU_I2C3_SCL_U)
NPU_I2C3_SDA: J4800.3(SIO_D) R9823.1 U1000.AE27(NPU_I2C3_SDA_U)
NPU_INT_CPU: R1124.2 U1000.C40(ISP0_FLASHTRIGOUT/ISP1_FLASHTRI)
NPU_JTAG_TCK: TP9709.1 U1000.AK21(NPU_JTAG_TCK_U)
NPU_JTAG_TMS: TP9710.1 U1000.AK23(NPU_JTAG_TMS_U)
NPU_LPDDR3_A0: U1000.AM40(NPU_LPDDR2/3_A0/DDR4_A0/DDR3_A9) U3100.R2(DDR_A0)
NPU_LPDDR3_A1: U1000.AL40(NPU_LPDDR2/3_A1/DDR4_A1/DDR3_A1) U3100.P2(DDR_A1)
NPU_LPDDR3_A2: U1000.AL39(NPU_LPDDR2/3_A2/DDR4_A2/DDR3_A1) U3100.N2(DDR_A2)
NPU_LPDDR3_A3: U1000.AK39(NPU_LPDDR2/3_A3/DDR4_A3/DDR3_A1) U3100.N3(DDR_A3)
NPU_LPDDR3_A4: U1000.AJ37(NPU_LPDDR2/3_A4/DDR4_A4/DDR3_A2) U3100.M3(DDR_A4)
NPU_LPDDR3_A5: U1000.AK40(NPU_LPDDR2/3_A5/DDR4_A5/DDR3_A4) U3100.F3(DDR_A5)
NPU_LPDDR3_A6: U1000.AM39(NPU_LPDDR2/3_A6/DDR4_A6/DDR3_A3) U3100.E3(DDR_A6)
NPU_LPDDR3_A7: U1000.AJ39(NPU_LPDDR2/3_A7/DDR4_A7/DDR3_A6) U3100.E2(DDR_A7)
NPU_LPDDR3_A8: U1000.AP40(NPU_LPDDR2/3_A8/DDR4_A8/DDR3_A5) U3100.D2(DDR_A8)
NPU_LPDDR3_A9: U1000.AG36(NPU_LPDDR2/3_A9/DDR4_A9/DDR3_A1) U3100.C2(DDR_A9)
NPU_LPDDR3_CKE: U1000.AM37(NPU_LPDDR2/3_CKE/DDR4_CKE/DDR3_) U3100.K3(DDR_CKE0) U3100.K4(DDR_CKE1)
NPU_LPDDR3_CLKN: R3109.1 U1000.AT40(NPU_LPDDR2/3_CKB/DDR4_CLKN/DDR3) U3100.J2(DDR_CLKN)
NPU_LPDDR3_CLKP: R3108.1 U1000.AT39(NPU_LPDDR2/3_CK/DDR4_CLKP/DDR3_) U3100.J3(DDR_CLK)
NPU_LPDDR3_CS0: U1000.AG40(NPU_LPDDR2/3_CSB0/DDR4_CS0/DDR3) U3100.L3(DDR_CS0)
NPU_LPDDR3_CS1: U1000.AF36(NPU_LPDDR2/3_CSB1/DDR4_CS1/DDR3) U3100.L4(DDR_CS1)
NPU_LPDDR3_ODT0: U1000.AH40(NPU_LPDDR2/3_ODT0/DDR4_ODT0/DDR) U3100.J8(DDR_ODT)
NPU_MIPI_AVDD_0V8: C9933.1 R9824.2 U1000.AM24(NPU_MIPI_RX_AVDD_0V8) U1000.AM25(NPU_MIPI_TX_AVDD_0V8)
NPU_MIPI_AVDD_1V8: C9934.1 R9825.2 U1000.AN24(NPU_MIPI_RX_AVDD_1V8) U1000.AN25(NPU_MIPI_TX_AVDD_1V8)
NPU_MIPI_RX_CLKN: J4600.30(RCN) U1000.AY20(NPU_MIPI_RX_CLKN)
NPU_MIPI_RX_CLKP: J4600.29(RCP) U1000.AW20(NPU_MIPI_RX_CLKP)
NPU_MIPI_RX_D0N: J4600.3(RDN0) U1000.AW22(NPU_MIPI_RX_D0N)
NPU_MIPI_RX_D0P: J4600.2(RDP0) U1000.AY22(NPU_MIPI_RX_D0P)
NPU_MIPI_RX_D1N: J4600.26(RDN1) U1000.AW21(NPU_MIPI_RX_D1N)
NPU_MIPI_RX_D1P: J4600.27(RDP1) U1000.AY21(NPU_MIPI_RX_D1P)
NPU_MIPI_RX_D2N: J4600.6(RDN2) U1000.AU20(NPU_MIPI_RX_D2N)
NPU_MIPI_RX_D2P: J4600.5(RDP2) U1000.AT20(NPU_MIPI_RX_D2P)
NPU_MIPI_RX_D3N: J4600.9(RDN3) U1000.AY19(NPU_MIPI_RX_D3N)
NPU_MIPI_RX_D3P: J4600.8(RDP3) U1000.AW19(NPU_MIPI_RX_D3P)
NPU_MIPI_TX_CLKN: R9821.2 U1000.AU23(NPU_MIPI_TX_CLKN)
NPU_MIPI_TX_CLKP: R9820.2 U1000.AT23(NPU_MIPI_TX_CLKP)
NPU_MIPI_TX_D0N: R9813.2 U1000.AU24(NPU_MIPI_TX_D0N)
NPU_MIPI_TX_D0P: R9812.2 U1000.AT24(NPU_MIPI_TX_D0P)
NPU_MIPI_TX_D1N: R9815.2 U1000.AW24(NPU_MIPI_TX_D1N)
NPU_MIPI_TX_D1P: R9814.2 U1000.AY24(NPU_MIPI_TX_D1P)
NPU_MIPI_TX_D2N: R9817.2 U1000.AW23(NPU_MIPI_TX_D2N)
NPU_MIPI_TX_D2P: R9816.2 U1000.AY23(NPU_MIPI_TX_D2P)
NPU_MIPI_TX_D3N: R9819.2 U1000.AT21(NPU_MIPI_TX_D3N)
NPU_MIPI_TX_D3P: R9818.2 U1000.AU21(NPU_MIPI_TX_D3P)
NPU_OSC_BPASS: R1108.2 R1123.2 U1000.Y31(NPU_OSC_BPASS)
NPU_OTG_M: R1407.1 U1000.AC37(NPU_USB20_OTG_DM)
NPU_OTG_P: R1406.1 U1000.AC36(NPU_USB20_OTG_DP)
NPU_PCIE_CLKN: C9932.1 U1000.AB40(NPU_PCIE_REFCLKN)
NPU_PCIE_CLKP: C9931.1 U1000.AB39(NPU_PCIE_REFCLKP)
NPU_PCIE_RX0N: C1423.1 U1000.AD40(NPU_USB30_SSRXN/PCIE_RX0N)
NPU_PCIE_RX0P: C1422.1 U1000.AD39(NPU_USB30_SSRXP/PCIE_RX0P)
NPU_PCIE_RX1N: C9930.1 U1000.Y37(NPU_PCIE_RX1N)
NPU_PCIE_RX1P: C9929.1 U1000.Y36(NPU_PCIE_RX1P)
NPU_PCIE_TX0N: C1421.1 U1000.AC40(NPU_USB30_SSTXN/PCIE_TX0N)
NPU_PCIE_TX0P: C1420.1 U1000.AC39(NPU_USB30_SSTXP/PCIE_TX0P)
NPU_PCIE_TX1N: C9927.1 U1000.AA37(NPU_PCIE_TX1N)
NPU_PCIE_TX1P: C9928.1 U1000.AA36(NPU_PCIE_TX1P)
NPU_PMIC_SLEEP_H: R1124.1 U1000.U32(NPU_SLEEP_STATUS_D)
NPU_PWREN_1: R2216.1 R2218.1 R2227.1 R2230.1 U1000.L37(SDIO0_INTN/GPIO0_A4_D)
NPU_PWREN_4: R2208.1 R2233.1 U1000.J32(GPIO1_C6_D)
NPU_PWREN_EN1: R2216.2 U2204.3(S\H\D\N\)
NPU_PWREN_EN2: C2280.1 R2230.2 U2203.1(EN)
NPU_PWREN_EN3: C2281.1 R2218.2 U2205.1(EN) U2207.3(EN)
NPU_PWREN_EN4: R2208.2 U2202.1(EN)
NPU_PWREN_EN5: C2282.1 R2227.2 U2208.3(EN)
NPU_PWREN_EN6: C2279.2 R2233.2 U2206.A2(EN)
NPU_RESET_L: C1112.1 R1105.1 R1110.2 U1000.P30(NPU_NPOR)
NPU_SPI0_CLK: U1000.AN21(NPU_SPI0_CLK_D) U1300.11(B4)
NPU_SPI0_CS: U1000.AN23(NPU_SPI0_CSN_U) U1300.12(B3)
NPU_SPI0_RX: U1000.AN22(NPU_SPI0_MOSI_U) U1300.14(B1)
NPU_SPI0_TX: U1000.AP20(NPU_SPI0_MISO_U) U1300.13(B2)